# Altium PCB PCB1.PcbDoc
Units mm, origin at the board's own origin, x right, y up, seen from the top; angles counter-clockwise.
Board outline 96.67 x 96.78 mm, 2 copper layers (Top Layer, Bottom Layer); 38 components, 42 nets, 162 pads, 35 vias.
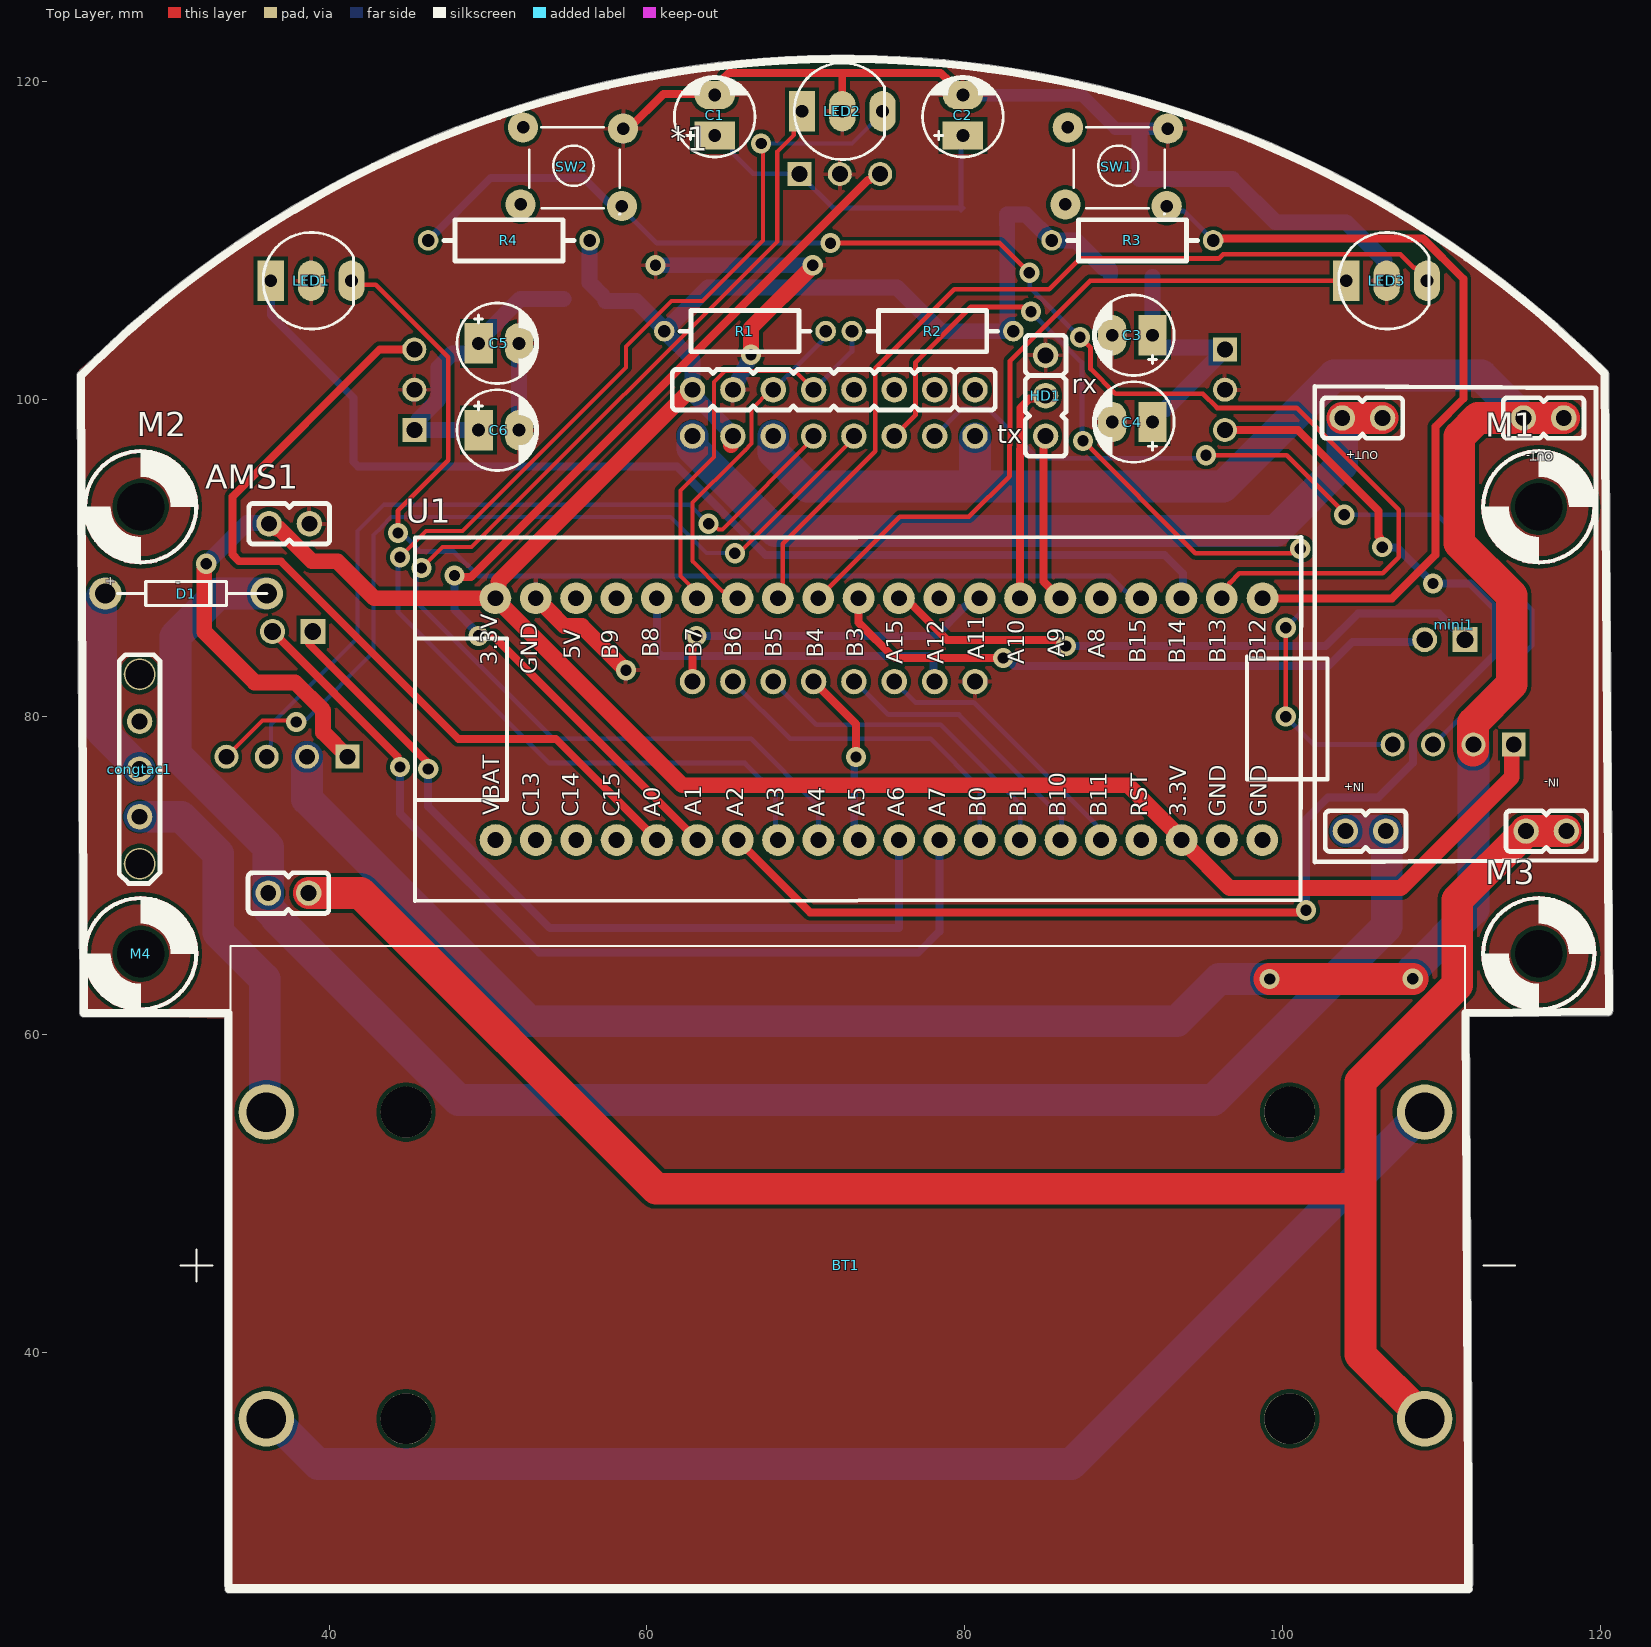
[diagram p0: Top Layer view]
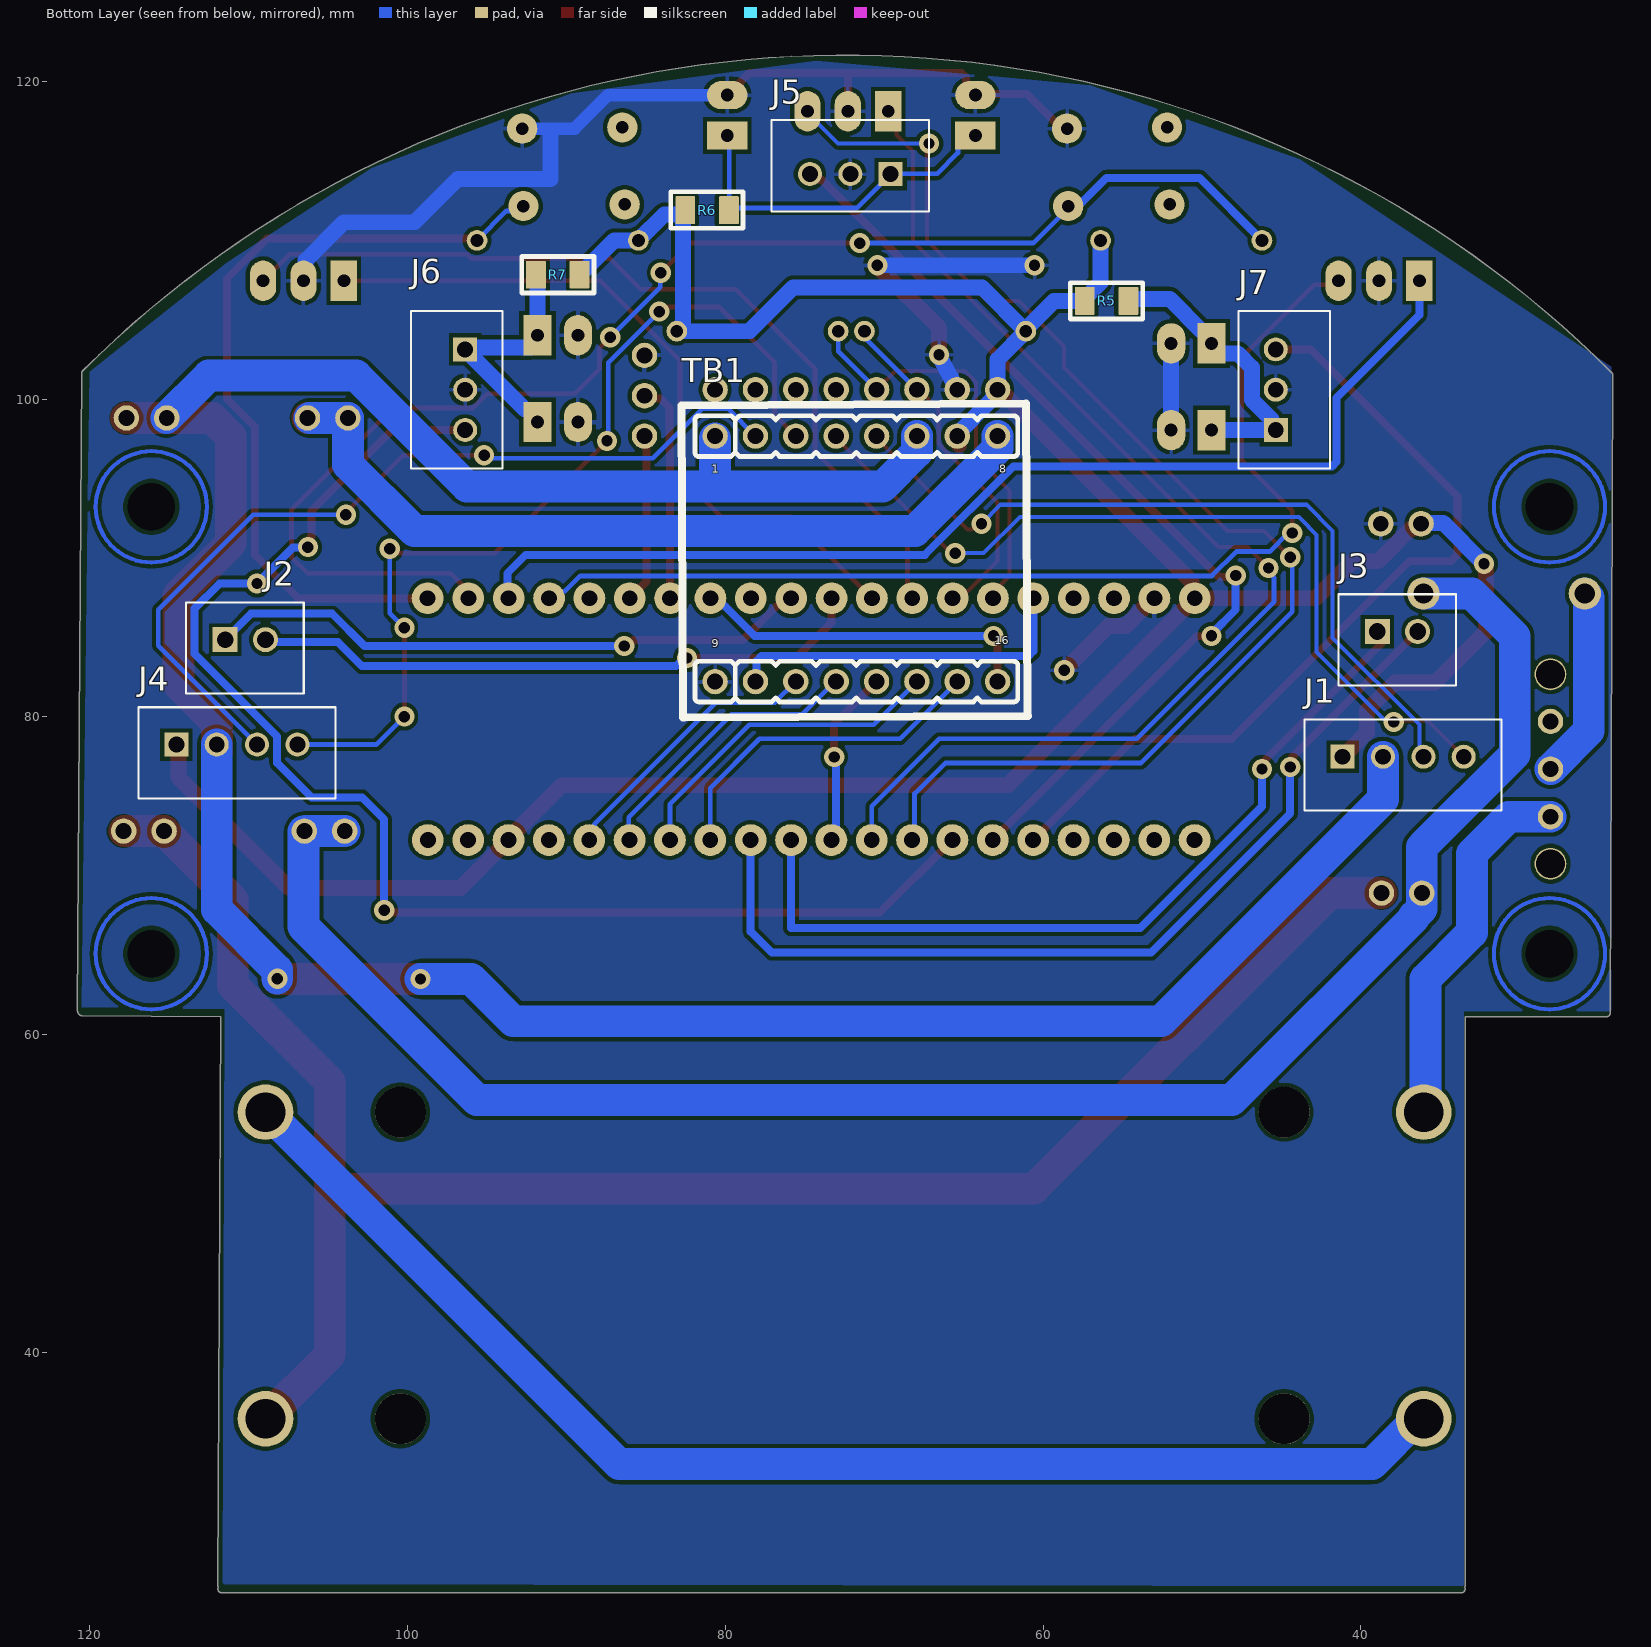
[diagram p1: Bottom Layer view, seen from below]

## Layer stack, top to bottom
Top Solder: solder mask 0.0102, Solder Resist, Dk 3.5
Top Layer: signal copper 0.0356
Dielectric 1: dielectric 0.32, FR-4, Dk 4.8
Bottom Layer: signal copper 0.0356
Bottom Solder: solder mask 0.0102, Solder Resist, Dk 3.5

## Board outline
33.417,25.361 33.417,61.116 24.555,61.116 cw(c24.555,61.366) 24.304,61.365 24.134,101.472 cw(c24.384,101.473) 24.207,101.65 cw(c72.39,53.594) 120.446,101.777 cw(c120.269,101.6) 120.519,101.602 120.799,61.576 120.799,61.574 cw(c120.549,61.574) 120.75,61.426 cw(c120.5,61.438) 120.502,61.188 111.752,61.113 111.959,25.363 111.959,25.362 cw(c111.709,25.362) 111.916,25.221 111.942,25.11 cw(c111.691,25.11) 111.691,24.859 33.691,24.859 cw(c33.691,25.11) 33.464,25.215 cw(c33.667,25.361)

## Design rules (kind name [scope] priority, off if disabled: settings)
Clearance [All] p1: gap=0.254 ignorepadtopadclearanceinfootprint=FALSE except(0: Arc-Hole Track-Hole SMDPad-Hole THPad-Hole Via-Hole Fill-Hole Poly-Hole Region-Hole Text-Hole)
PolygonConnect [All] p1: connectstyle=Relief reliefconductorwidth=0.254 reliefentries=4 polygonreliefangle="90 Angle" airgapwidth=0.254
RoutingVias [All] p1: holewidth=0.711 width=1.27 viastyle="Through Hole" minholewidth=0.711 minwidth=1.27 maxholewidth=0.711 maxwidth=1.27
SolderMaskExpansion [All] p1: expansion=0.102 istentingtop=FALSE
Width [All] p1: maxlimit=2 minlimit=0.254 preferedwidth=0.254 minimp=50.000000 maximp=50.000000 favimp=50.000000
30 further rules are at their usual default settings.

## Components (designator, comment, footprint, x,y, rotation, side; value= is the part's Value field where it differs from the comment)
*1 "MPU6050" MPU6050 71.755,100.584 r180 top locked
AMS1 "AMS1117-3.3" ASM1117-3.3 37.465,90.805 r180 top
BT1 "BK-18650-PC4" BAT_BK-18650-PC4 72.644,45.466 r0 top locked
C1 "10uF" CP1/2 64.262,116.586 r90 top value=10uF/50V
C2 "100nF" CP1/2 79.883,116.586 r90 top value=10uF/50V
C3 "10uF" CP1/2 91.821,104.013 r180 top value=10uF/50V
C4 "100nF" CP1/2 91.821,98.552 r180 top value=10uF/50V
C5 "100nF" CP1/2 49.403,103.505 r0 top value=10uF/50V
C6 "10uF" CP1/2 49.403,98.044 r0 top value=10uF/50V
congtac1 "congtac" CONGTAC 28.067,76.708 r90 top locked
D1 "100v" "Diode 1N4007" 30.988,87.757 r0 top
HD1 "Header 3" Header_3 85.09,100.203 r270 top
J1 "B4B-XH-A(LF)(SN)" JST_B4B-XH-A(LF)(SN) 37.338,76.962 r0 bottom
J2 "B2B-XH-A(LF)(SN)" JST_B2B-XH-A(LF)(SN) 110.236,84.328 r0 bottom
J3 "B2B-XH-A(LF)(SN)" JST_B2B-XH-A(LF)(SN) 37.719,84.836 r0 bottom
J4 "B4B-XH-A(LF)(SN)" JST_B4B-XH-A(LF)(SN) 110.744,77.724 r0 bottom
J5 "B3B-XH-A_(LF)(SN)" "JST_B3B-XH-A (LF)(SN)" 72.136,114.681 r180 bottom
J6 "B3B-XH-A_(LF)(SN)" "JST_B3B-XH-A (LF)(SN)" 96.901,100.584 r90 bottom
J7 "B3B-XH-A_(LF)(SN)" "JST_B3B-XH-A (LF)(SN)" 44.831,100.584 r270 bottom
LED1 "LED" LED-52 36.322,107.442 r0 top value="LED 3 - 5 ly 2 Colour"
LED2 "LED" LED-52 69.75,118.11 r0 top value="LED 3 - 5 ly 2 Colour"
LED3 "LED" LED-52 104.013,107.442 r0 top value="LED 3 - 5 ly 2 Colour"
M1 "VIT - 3.2mm" "VIT - 3.2mm" 116.13,93.214 r0 top
M2 "VIT - 3.2mm" "VIT - 3.2mm" 28.13,93.214 r0 top locked
M3 "VIT - 3.2mm" "VIT - 3.2mm" 116.13,65.087 r0 top locked
M4 "VIT - 3.2mm" "VIT - 3.2mm" 28.13,65.087 r0 top locked
mini1 "mini560" MINI540 105.029,98.806 r180 top locked
R1 "Res2" "RES 1/4W CFR25" 71.247,104.267 r180 top value=4.7K
R2 "Res2" "RES 1/4W CFR25" 72.898,104.267 r0 top value=4.7K
R3 "Res2" "RES 1/4W CFR25" 95.631,109.982 r180 top value=4.7K
R4 "Res2" "RES 1/4W CFR25" 46.228,109.982 r0 top value=4.7K
R5 "0" "Res 1206 SMD" 56.007,106.172 r0 bottom
R6 "0" "Res 1206 SMD" 81.153,111.887 r0 bottom
R7 "0" "Res 1206 SMD" 90.551,107.823 r180 bottom
SW1 "SW" SW4 86.487,117.094 r0 top value="Button chip 4 pin"
SW2 "SW" SW4 52.197,117.094 r0 top value="Button chip 4 pin"
TB1 "TB6612FNG" TB6612PNG 71.755,97.663 r180 bottom locked
U1 "STM32F103C8T6" "Stm32 BluePill" 68.834,79.629 r90 top locked

## Footprints (in the part's own frame and the unit in brackets; to place one, negate y for a bottom-side part, rotate by r counter-clockwise, add the part's x,y. Pads: shape width x height; smd on the part's side, far side on the other; paste and mask are expansions set on the pad)
ASM1117-3.3 [mm] "Connector DIP, 2Pin_2.54mm"
  round 1.6 hole 1 mask+0.1: 1(1.3,21.9) 2(-1.24,21.9) 3(1.254,-1.346) 4(-1.286,-1.346)
  silkscreen extent -2.56,-2.63 2.57,23.18, body extent -5.7,-2.62 5.5,23.17, height 9.2
BAT_BK-18650-PC4 [mm]
  round 3.5 hole 2.5: 1+(-36.6,9.65) 1-(36.3,9.65) 2+(-36.6,-9.65) 2-(36.3,-9.65)
  round 3.2 hole 3.2 unplated: ""(-27.81,-9.65) ""(-27.81,9.65) ""(27.81,-9.65) ""(27.81,9.65)
  silkscreen extent -42,-20.1 42,20.1, body extent -39.1,-20.11 38.6,20.11, height 24.74
CONGTAC [mm] "Connector DIP, 5Pin_2.54mm"
  round 2 hole 1.8 mask+0.1: 1(-5.96,0) 5(5.96,0)
  round 1.6 hole 1 mask+0.1: 2(-3,0) 3(0,0) 4(3,0)
  silkscreen extent -7.2,-1.28 7.2,1.28, body extent -6.05,-2.7 6.05,2.8, height 9
CP1/2 [mil] "Tu hoa < 22uF/16>50V"
  rect 70x100 hole 32: 1(0,0)
  oval 70x100 hole 32: 2(100,0)
  silkscreen extent -53,-100 146,100, body extent -49,-99 149,99, height 287
"Diode 1N4007" [mil] "Diode 2A"
  round 80 hole 50: 1(-200,0) 2(200,0)
  silkscreen extent -170,-30 200,30
Header_3 [mm] "Connector DIP, 3Pin_2.54mm"
  round 1.6 hole 1 mask+0.1: 1(-2.54,0) 2(0,0) 3(2.54,0)
  silkscreen extent -3.81,-1.28 3.81,1.28, body extent -3.81,-1.27 3.81,1.27, height 10.1
JST_B2B-XH-A(LF)(SN) [mm]
  rect 1.575x1.575 / inner round 1.575 / far side rect 1.575x1.575 hole 1.05: 1(1.25,-0.525)
  round 1.575 hole 1.05: 2(-1.29,-0.525)
  silkscreen extent -3.7,-2.88 3.7,2.88, body extent -3.7,-2.88 3.7,2.88, height 7
"JST_B3B-XH-A (LF)(SN)" [mm]
  rect 1.508x1.508 / inner round 1.508 / far side rect 1.508x1.508 hole 1: 1(2.54,-0.525)
  round 1.508 hole 1: 2(0,-0.525) 3(-2.54,-0.525)
  silkscreen extent -4.95,-2.88 4.95,2.88, body extent -4.95,-2.88 4.95,2.88, height 7
JST_B4B-XH-A(LF)(SN) [mm]
  rect 1.508x1.508 / inner round 1.508 / far side rect 1.508x1.508 hole 1: 1(3.81,-0.525)
  round 1.508 hole 1: 2(1.27,-0.525) 3(-1.27,-0.525) 4(-3.81,-0.525)
  silkscreen extent -6.2,-2.88 6.2,2.88, body extent -6.2,-2.88 6.2,2.88, height 7
LED-52 [mil] "LED 3 PIN, 5 ly , Two colour"
  rect 65x100 hole 32: 1(0,0)
  oval 65x100 hole 32: 2(100,0) 3(200,0)
  silkscreen extent -19,-120 205,120, body extent -20,-115 214,113, height 476
MINI540 [mm] "Connector DIP, 2Pin_2.54mm"
  round 1.6 hole 1 mask+0.1: 1(-12.84,26) 2(-10.3,26) 3(-1.47,26) 4(1.07,26) 5(-12.67,0) 6(-10.13,0) 7(-1.27,0) 8(1.27,0)
  silkscreen extent -14.7,-2 3,27.95, body extent -14.8,-2.1 3.2,27.9, height 11.62
MPU6050 [mm] "Connector DIP Male, 8Pin_2.54mm"
  round 1.6 hole 1 mask+0.1: 1(-8.89,0) 2(-6.35,0) 3(-3.81,0) 4(-1.27,0) 5(1.27,0) 6(3.81,0) 7(6.35,0) 8(8.89,0)
  silkscreen extent -10.16,-1.28 10.16,1.28, body extent -10.55,-14.28 10.55,1.6, height 9.94
"RES 1/4W CFR25" [mm] "Axial Device, Thru-Hole; 2 Leads fi 0.55"
  round 1.3 hole 0.8 mask+0.1: 1(0,0) 2(10.16,0)
  silkscreen extent 0.98,-1.3 9.18,1.3, body extent -0.3,-1.16 10.47,1.16, height 2.93
"Res 1206 SMD" [mm] "Reflow Soldering"
  rrect10% 1.25x1.75 smd mask+0.1: 1(-1.375,0) 2(1.375,0)
  silkscreen extent -2.27,-1.15 2.28,1.14, body extent -1.6,-0.8 1.6,0.8, height 0.65
"Stm32 BluePill" [mm]
  round 2 hole 1: 1(7.828,-29.909) 2(7.828,-27.343) 3(7.828,-24.803) 4(7.828,-22.263) 5(7.828,-19.723) 6(7.828,-17.183) 7(7.828,-14.643) 8(7.828,-12.103) 9(7.828,-9.563) 10(7.828,-7.023) 11(7.828,-4.483) 12(7.828,-1.943) 13(7.828,0.597) 14(7.828,3.137) 15(7.828,5.677) 16(7.828,8.217) 17(7.828,10.757) 18(7.828,13.297) 19(7.828,15.837) 20(7.828,18.377) 21(-7.386,18.366) 22(-7.386,15.826) 23(-7.386,13.286) 24(-7.386,10.746) 25(-7.386,8.206) 26(-7.386,5.666) 27(-7.386,3.126) 28(-7.386,0.586) 29(-7.386,-1.954) 30(-7.386,-4.494) 31(-7.386,-7.034) 32(-7.386,-9.574) 33(-7.386,-12.114) 34(-7.386,-14.654) 35(-7.386,-17.194) 36(-7.386,-19.734) 37(-7.386,-22.274) 38(-7.386,-24.814) 39(-7.386,-27.354) 40(-7.386,-29.894)
  silkscreen extent -11.22,-34 11.69,23.43, body extent -11.18,-33.27 11.68,24.29, height 16.77
SW4 [mil] "SW button 4pin, 250 x250 mil"
  round 75 hole 31: 1(0,0) 2(245,-195) 3(248,-3) 4(-6,-191)
  silkscreen extent 15,-215 240,0, body extent -36,-220 276,24, height 276
TB6612PNG [mm] "Connector DIP Male, 8Pin_2.54mm"
  round 1.6 hole 1 mask+0.1: 1(-8.89,0) 2(-6.35,0) 3(-3.81,0) 4(-1.27,0) 5(1.27,0) 6(3.81,0) 7(6.35,0) 8(8.89,0) 9(-8.89,-15.45) 10(-6.35,-15.45) 11(-3.81,-15.45) 12(-1.27,-15.45) 13(1.27,-15.45) 14(3.81,-15.45) 15(6.35,-15.45) 16(8.89,-15.45)
  silkscreen extent -11,-17.72 10.8,2.04, body extent -10.58,-18.25 10.4,2.65, height 9.54
"VIT - 3.2mm" [mm]
  round 0 hole 3 unplated: 1(0,0)
  Top Layer circle w0.2: c0,0 r3.5
  Top Layer circle w0.254: c0,0 r3.5
  Bottom Layer circle w0.2: c0,0 r3.5
  Bottom Layer circle w0.254: c0,0 r3.5
  silkscreen extent -3.5,-3.51 3.5,3.51

## Part data
BT1: "Battery Holder (Open) 18650 2 Cell PC Pin", Package=None, Availability=Unavailable, MP=BK-18650-PC4, Price=None
C1 C2 C3 C4 C5 C6: library part CP1, "Cap P  0,1uF < 22uF , 16 - 50V", Description 1="10 => 220uF/6,3V/10V - 10uF => 100uF/16V", Description 2="0,1uF => 33uF/50V - 10uF => 22uF/63V", Description 3="0,47uF => 10uF/100V"
D1: library part "Diode 1N4148", "Cắm", Chung_Loai=Cắm, Don_Vi=Con, Ma_Hang=MH001065, Ten_Linh_Kien="Diode 1N4148 DO35 450mA 100V ( 1N4148 DIP)"
HD1: library part Header3
J1 J4: "Connector Header Through Hole 4 position 0.098 (2.50mm)", Package=None, Check_prices=https://www.snapeda.com/parts/B4B-XH-A(LF)(SN)/JST+Sales+America+Inc./view-part/?ref=eda, MF="JST Sales", MP=B4B-XH-A(LF)(SN), SnapEDA_Link=https://www.snapeda.com/parts/B4B-XH-A(LF)(SN)/JST+Sales+America+Inc./view-part/?ref=snap
J2 J3: "Connector Header Through Hole 2 position 0.098 (2.50mm)", Package=None, Check_prices=https://www.snapeda.com/parts/B2B-XH-A(LF)(SN)/JST+Sales+America+Inc./view-part/?ref=eda, MF="JST Sales America Inc.", MP=B2B-XH-A(LF)(SN), SnapEDA_Link=https://www.snapeda.com/parts/B2B-XH-A(LF)(SN)/JST+Sales+America+Inc./view-part/?ref=snap
J5 J6 J7: "Connector Header Through Hole 3 position 0.098 (2.50mm)", Package=None, Check_prices=https://www.snapeda.com/parts/B3B-XH-A%20(LF)(SN)/JST+Sales+America+Inc./view-part/?ref=eda, MF="JST Sales America Inc.", MP="B3B-XH-A (LF)(SN)", SnapEDA_Link=https://www.snapeda.com/parts/B3B-XH-A%20(LF)(SN)/JST+Sales+America+Inc./view-part/?ref=snap
LED1 LED2 LED3: library part LED2, "LED 2 colour Green and Red"
R1 R2 R3 R4: "Resistor", LatestRevisionDate=17-Jul-2002, LatestRevisionNote="Re-released for DXP Platform.", PackageDescription="Axial Device, Thru-Hole; 2 Leads; 0.4 in Pin Spacing", PackageReference=AXIAL-0.4, Published=8-Jun-2000, Publisher="Altium Limited"
R5 R6 R7: library part RES-1206, "RES SMD 5.1 OHM 1% 1/4W 1206", Manufacturer=Yageo, Manufacturer Part Number=RC1206FR-075R1L, Operating Temperature="-55°C ~ 155°C", Package / Case="1206 (3216 Metric)", Power (Watts)="0.25W, 1/4W", Resistance (Ohms)=5.1, Supplier Device Package=1206, Supplier Part Number 1=311-5.10FRCT-ND, Temperature Coefficient=±200ppm/°C, Tolerance=±1%, Category=Resistors, ComponentLink1Description=http://www.yageo.com/documents/recent/PYu-RC_Group_51_RoHS_L_7.pdf, ComponentLink1URL=http://www.yageo.com/documents/recent/PYu-RC_Group_51_RoHS_L_7.pdf, Composition="Thick Film", Failure Rate=-, Features="Moisture Resistant", Height - Seated (Max)="0.026\" (0.65mm)", Packaging="Cut Tape (CT)", Part Status=Active, Pricing 1="1=0.1, 10=0.051, 100=0.0207, 1000=0.0093, 2500=0.00807 (USD)", RoHS="RoHS Compliant", Size / Dimension="0.122\" L x 0.063\" W (3.10mm x 1.60mm)", Stock 1=96701, Supplier 1=Digi-Key
SW1 SW2: library part SW4, "Switch button 4 pin"
U1: library part BluePill, "Designed By @Alixahedi"

## Via types
v1: diameter 1.27, hole 0.711, Top Layer to Bottom Layer, 35 vias

## Nets (pads, with @x,y where several pads share a name; then routed paths per layer and width w, separated by ;. In a path a pad name is that pad's centre, name@x,y a point inside that pad or via, vN(x,y) a via of type N, cw(c..) or ccw(c..) an arc to the next point about the centre after c; other vN are vias at no path point)
+5: mini1.7 mini1.8 TB1.8 | length 53.4
  Top Layer w2: mini1.8 mini1.7
  Bottom Layer w2: TB1.8 62.865,96.901 68.072,91.694 99.568,91.694 103.759,95.885 mini1.8 mini1.7@106.172,98.806
A01: J1.3 TB1.5 | length 49
  Top Layer w0.254: v1(63.881,92.147) 64.156,92.147 64.504,91.799 64.748,91.799 TB1.5@70.485,97.536
  Bottom Layer w0.254: J1.3 36.308,77.727 36.308,78.249 36.322,78.263 36.322,79.502 41.783,84.963 41.783,91.694 43.434,93.345 62.683,93.345 v1(63.881,92.147)
A02: J1.4 TB1.4 | length 54.3
  Top Layer w0.254: J1.4 35.797,79.756 37.846,79.756 v1(37.929,79.673) ; v1(65.532,90.297) 65.786,90.297 TB1.4@73.152,97.663
  Bottom Layer w0.254: v1(37.929,79.673) 38.124,79.867 38.592,79.867 42.799,84.074 42.799,91.44 43.307,91.948 43.307,91.988 43.902,92.583 61.468,92.583 63.754,90.297 v1(65.532,90.297)
ADC_CB1: J7.3 U1.25 | length 53.2
  Top Layer w0.5: J7.3 43.18,103.124 33.909,93.853 33.909,90.209 34.329,89.789 36.951,89.789 48.127,78.613 54.258,78.613 U1.25
  Bottom Layer w0.5: J7.3 J7.3@45.466,103.124
ADC_CB2: J5.3 U1.26 | length 60.7
  Top Layer w0.5: v1(47.879,88.892) 47.967,88.804 48.926,88.804 73.914,113.792 74.039,113.792 74.403,114.156 J5.3 ; v1(49.403,85.09) 49.424,85.069 50.341,85.069 U1.26
  Bottom Layer w0.5: v1(47.879,88.892) 47.879,86.741 v1@49.403,85.217
ADC_CB3: J6.3 U1.27 | length 86.4
  Top Layer w0.5: U1.27 70.26,67.691 101.346,67.691 v1(101.473,67.818) ; J6.3 100.965,98.044 106.045,92.964 106.045,92.372 106.048,92.369 106.048,91.356 106.129,91.275 106.129,90.825 v1(106.276,90.678)
  Bottom Layer w0.5: v1(101.473,67.818) 101.473,73.533 102.87,74.93 106.045,74.93 108.216,77.101 108.216,78.77 113.411,83.965 113.411,86.811 111.83,88.392 v1(109.474,88.392) ; v1(106.276,90.678) 106.299,90.655 107.211,90.655 v1@109.451,88.415
AI1: TB1.14 U1.34 | length 21.1
  Bottom Layer w0.3: TB1.14 70.656,79.502 78.486,79.502 83.488,74.5 U1.34@83.488,72.448
  Bottom Layer w0.5: U1.34 U1.34@83.693,72.448
AI2: TB1.15 U1.33 | length 21.6
  Bottom Layer w0.3: TB1.15 69.005,78.613 77.851,78.613 80.948,75.516 U1.33
B01: J4.3 TB1.2 | length 54.7
  Top Layer w0.3: v1(95.184,96.459) 100.264,96.459 v1@103.886,92.837
  Bottom Layer w0.3: TB1.2 79.822,99.38 81.468,99.38 84.582,96.266 94.996,96.266 95.184,96.454 v1(95.184,96.459) ; v1(103.886,92.71) 109.728,92.71 115.697,86.741 115.697,84.472 J4.3
B02: J4.4 TB1.3 | length 57.4
  Top Layer w0.3: TB1.3 76.901,98.999 76.901,102.301 80.391,105.791 v1@83.612,105.791 ; v1(87.446,97.364) 94.513,90.297 v1@100.58,90.297 ; v1(100.203,80.01) v1(100.203,85.598)
  Bottom Layer w0.3: v1(84.165,105.501) 87.376,102.29 87.376,97.434 v1(87.446,97.364) ; v1@100.203,80.137 v1(100.203,80.01) 101.964,78.249 J4.4 ; v1(100.203,85.598) 101.119,86.514 v1(101.119,90.574)
BI1: TB1.12 U1.35 | length 17.9
  Bottom Layer w0.3: TB1.12@73.025,82.296 75.184,80.137 79.629,80.137 86.085,73.681 U1.35@86.085,72.369
BI2: TB1.11 U1.36 | length 17.5
  Bottom Layer w0.3: TB1.11 76.879,80.899 80.57,80.899 88.243,73.226 88.243,72.568 U1.36
GND: *1.7 AMS1.4 C1.2 C2.2 C3.2 C4.2 C5.2 C6.2 HD1.1 J5.2 J6.2 J7.2 LED1.2 LED2.2 LED3.2 SW1.3 SW2.3 TB1.9 U1.19 | length 95.3
  Top Layer w0.5: SW2.3 58.852,117.018 61.036,119.202 64.186,119.202 C1.2 ; C1.2@64.338,119.202 64.343,119.202 64.857,119.716 64.857,120.23 65.15,120.523 72.29,120.523 ; LED2.2 72.29,120.523 ; C2.2 79.848,119.126 79.034,119.94 79.034,119.975 78.486,120.523 72.29,120.523
  Top Layer w1: U1.19 53.669,86.852 53.688,86.835 53.707,86.817 53.783,86.74 53.783,86.731 54.811,85.703 55.902,85.703 v1(58.674,82.931) ; SW2.3@58.448,116.868 SW2.3@58.547,116.967 ; v1(66.548,102.781) 66.548,104.476 70.433,108.36 v1(70.433,108.417)
  Bottom Layer w0.5: LED1.2@38.862,107.309 LED1.2 ; LED2.2@72.136,117.956 LED2.2 ; LED2.2@72.39,118.11 LED2.2@72.517,117.983
  Bottom Layer w0.8: C2.2 87.376,119.126 89.484,117.018 SW1.3
  Bottom Layer w1: C6.2 C5.2 51.943,103.632 C5.2@52.07,103.759 ; v1(60.538,108.417) v1(70.433,108.417) ; *1.7 66.548,102.743 v1(66.548,102.781) ; 91.003,113.848 96.845,113.848 99.568,111.125 104.013,111.125 106.428,108.71 106.428,107.567 LED3.2 ; 91.003,113.919 91.003,116.896
LED1: LED2.1 U1.29 | length 74.8
  Top Layer w0.254: v1(45.813,89.361) 47.13,90.678 48.956,90.678 68.199,109.921 68.199,115.57 69.237,116.608 69.237,117.624 LED2.1@69.723,118.11
  Bottom Layer w0.3: v1(45.813,89.361) 45.813,89.099 45.466,88.752 45.466,87.249 54.102,78.613 66.548,78.613 70.788,74.373 U1.29
LED2: LED2.3 U1.28 | length 81.6
  Top Layer w0.254: v1(44.45,90.043) 46.101,91.694 48.387,91.694 58.674,101.981 58.674,103.312 61.534,106.172 63.5,106.172 67.31,109.982 67.31,115.951 v1(67.183,116.078)
  Bottom Layer w0.254: v1(67.183,116.078) 72.898,116.078 LED2.3@74.93,118.11
  Bottom Layer w0.3: v1(44.45,90.043) 44.323,89.916 44.323,86.614 53.848,77.089 66.167,77.089 68.088,75.168 68.088,72.403 U1.28
LED3: LED3.1 U1.12 | length 45.8
  Top Layer w0.3: U1.12 75.903,92.583 80.264,92.583 82.823,95.142 82.823,97.083 82.85,97.11 82.85,102.408 87.884,107.442 LED3.1
LED4: LED3.3 U1.13 | length 55.5
  Top Layer w0.3: U1.13 68.539,87.76 68.539,90.891 74.361,96.713 74.361,101.92 79.352,106.911 85.321,106.911 87.249,108.839 95.979,108.839 96.256,109.116 107.419,109.116 108.269,108.266 108.348,108.266 109.093,107.521 LED3.3
LED5: LED1.1 U1.3 | length 70.4
  Bottom Layer w0.5: LED1.1 36.322,105.283 41.529,100.076 41.529,96.051 41.822,95.758 61.881,95.758 67.449,90.19 92.563,90.19 93.726,89.027 93.726,87.503 U1.3@93.599,87.376
LED6: LED1.3 U1.4 | length 68.9
  Top Layer w0.3: LED1.3 41.656,107.188 42.93,107.188 47.498,102.62 47.498,96.139 44.323,92.964 v1(44.323,91.567)
  Bottom Layer w0.3: v1(44.323,91.567) 44.577,91.567 45.744,90.4 47.84,90.4 49.379,88.861 89.139,88.861 90.095,87.905 90.189,87.905 90.637,87.457 U1.4
NetAMS1_1: AMS1.1 D1.2 mini1.3 mini1.4 | length 114.5
  Bottom Layer w2: 36.068,71.895 30.321,77.642 30.321,85.058 33.02,87.757 D1.2 ; 36.165,71.785 36.165,67.933 36.651,67.447 ; 36.651,67.362 48.133,55.88 95.631,55.88 106.553,66.802 mini1.3@106.553,72.771 ; mini1.4 mini1.3@106.391,72.806
NetAMS1_2: AMS1.2 BT1.2- mini1.1 mini1.2 | length 119.6
  Top Layer w2: AMS1.2 41.966,68.905 60.579,50.292 104.394,50.292 104.902,50.8 ; BT1.2- 104.902,39.858 104.902,50.8 ; mini1.1@117.821,72.806 mini1.2 110.998,68.475 110.998,63.119 104.902,57.023 104.902,50.8
NetBT1_1+: BT1.1+ congtac1.2 | length 23.4
  Bottom Layer w2: congtac1.2 30.686,73.708 33.02,71.374 ; 33.011,71.238 33.011,66.421 35.941,63.491 BT1.1+@35.941,54.991
NetBT1_1-: BT1.1- BT1.2+ | length 83
  Bottom Layer w2: BT1.2+ 36.45,35.816 39.304,32.962 86.683,32.962 BT1.1-@108.712,54.991
NetC1_1: C1.1 C2.1 J5.1 R6.1 | length 22.5
  Bottom Layer w0.3: C1.1 64.621,116.586 65.36,115.847 65.36,115.488 66.675,114.173 J5.1@69.596,114.173 ; J5.1 71.738,112.014 R6.1@79.756,112.014 ; R6.1@79.756,111.887 R6.1@79.756,112.014 ; R6.1@79.883,112.014 R6.1@79.756,112.014 ; C2.1 79.756,116.459 R6.1@79.756,112.014
NetC3_1: C3.1 C4.1 J6.1 R7.1 | length 14.9
  Bottom Layer w1: C4.1 91.821,98.933 92.21,99.322 92.591,99.322 J6.1@96.122,102.853 ; R7.1@91.821,107.696 C3.1 91.821,103.632 92.21,103.243 J6.1@96.147,103.243
NetC5_1: C5.1 C6.1 J7.1 R5.1 | length 17.8
  Bottom Layer w1: C6.1@49.403,98.171 49.276,98.044 J7.1 45.61,98.298 45.61,98.705 46.864,99.959 46.864,101.982 47.755,102.873 49.014,102.873 49.403,103.262 C5.1 ; C5.1@49.792,104.275 50.008,104.275 52.032,106.299 R5.1@54.737,106.299
Netcongtac1_3: congtac1.3 D1.1 | length 12.2
  Bottom Layer w2: D1.1 25.908,87.748 25.654,87.494 25.654,79.121 congtac1.3
PGND: J1.2 J4.2 mini1.5 mini1.6 TB1.1 TB1.6 | length 180.9
  Top Layer w2: v1(99.187,63.5) 108.191,63.5 v1(108.198,63.506) ; J4.2@111.994,77.868 111.994,79.609 114.427,82.042 114.427,87.63 111.125,90.932 111.125,97.634 112.297,98.806 mini1.6 mini1.5 mini1.5@117.729,98.806
  Bottom Layer w2: J1.2 38.608,74.803 52.578,60.833 93.345,60.833 96.012,63.5 v1(99.187,63.5) ; TB1.6 67.945,96.647 70.104,94.488 80.645,94.488 ; TB1.1@80.645,97.536 80.645,94.488 ; v1(108.198,63.506) 108.198,64.057 112.014,67.874 J4.2 ; mini1.6@115.189,98.806 112.522,101.473 103.238,101.473 96.253,94.488 80.645,94.488
SCL: *1.6 R1.1 U1.14 | length 21.8
  Top Layer w0.254: U1.14 65.225,87.457 64.752,87.93 64.724,87.93 62.865,89.789 62.865,93.472 65.624,96.231 65.643,96.231 66.171,96.759 cw(c66.37,96.601) 66.199,96.788 ccw(c65.405,97.663) 66.357,96.964 66.586,97.193 66.586,99.352 67.818,100.584 *1.6 *1.6@68.072,100.584
  Bottom Layer w0.3: *1.6 71.056,103.695 71.056,103.949 R1.1@71.247,104.14
SDA: *1.5 R2.1 U1.15 | length 26.7
  Top Layer w0.254: U1.15 63.157,87.806 62.103,88.86 62.103,94.234 64.224,96.355 64.224,101.073 64.916,101.765 69.304,101.765 *1.5
  Bottom Layer w0.3: *1.5 72.898,102.997 R2.1
STBY: TB1.13 U1.30 | length 11.4
  Top Layer w0.5: TB1.13 73.152,79.546 v1(73.152,77.47) v1@73.152,77.343
  Bottom Layer w0.5: v1(73.152,77.47) 73.043,77.361 73.043,72.528 U1.30
SW1: R3.1 SW1.2 U1.1 | length 50.9
  Top Layer w0.5: R3.1@95.504,110.109 108.839,110.109 111.379,107.569 111.379,100.015 109.621,98.257 109.621,90.19 106.888,87.457 U1.1
  Bottom Layer w0.3: SW1.2 93.017,111.834 93.779,111.834 R3.1
SW2: R4.1 SW2.2 U1.2 | length 88.2
  Top Layer w0.3: v1(71.544,109.812) 82.204,109.812 v1(84.066,107.95) ; v1(87.249,103.886) 87.919,103.216 87.919,101.889 89.479,100.33 94.992,100.33 95.881,99.441 95.896,99.426 96.856,99.426 96.871,99.441 100.89,99.441 107.315,93.016 107.315,90.043 106.299,89.027 97.282,89.027 96.67,88.415 96.67,88.41 96.177,87.917 U1.2
  Bottom Layer w0.3: SW2.2@58.293,112.141 60.622,109.812 v1(71.544,109.812) ; v1(84.066,107.95) 84.093,107.923 84.093,107.042 v1(87.249,103.886)
  Bottom Layer w0.5: R4.1 50.165,113.919 56.007,113.919 57.516,112.41 58.151,112.41 SW2.2@58.356,112.204
TIM1_CH4: TB1.16 U1.8 | length 21.4
  Top Layer w0.5: TB1.16 62.865,84.628 v1@62.992,84.755
  Bottom Layer w0.5: TB1.16@62.865,82.296 TB1.16@62.907,82.254 ; v1(63.119,85.09) 78.157,85.09 79.993,86.926 80,86.926 80.45,87.376 U1.8@80.899,87.376
TIM2_CH1: J2.1 U1.10 | length 38.2
  Top Layer w0.5: U1.10 76.263,87.457 76.794,86.926 76.801,86.926 78.895,84.832 85.775,84.832 86.152,84.455 v1(86.36,84.455)
  Bottom Layer w0.5: v1(86.36,84.455) 102.713,84.455 104.745,86.487 109.855,86.487 110.948,85.394 110.948,85.391 111.376,84.963 J2.1@111.379,84.963
TIM2_CH2: J2.2 U1.11 | length 38.9
  Top Layer w0.5: U1.11 73.317,85.941 75.565,83.693 v1(82.423,83.693)
  Bottom Layer w0.5: v1(82.423,83.693) 82.593,83.693 83.101,83.185 102.87,83.185 104.394,84.709 J2.2@108.966,84.709
TIM3_CH1: J3.1 U1.31 | length 52.1
  Top Layer w0.5: J3.1@38.715,84.599 46.081,77.233 46.081,76.855 v1(46.228,76.708)
  Bottom Layer w0.5: v1(46.228,76.708) 46.228,74.356 53.887,66.697 75.868,66.697 ; 75.868,66.724 U1.31 U1.31@76.155,71.956
TIM3_CH2: J3.2 U1.32 | length 58.3
  Top Layer w0.5: J3.2 44.303,77.487 v1@44.303,77.109
  Bottom Layer w0.5: v1(44.45,76.835) 44.45,73.914 53.213,65.151 77.067,65.151 78.397,66.481 ; 78.408,66.47 U1.32
TIM4_CH3: TB1.10 U1.16 | length 22.6
  Bottom Layer w0.5: U1.16 60.617,84.124 60.921,83.82 77.738,83.82 78.031,83.527 78.031,82.287 TB1.10 TB1.10@78.316,82.423
UART1_RX: HD1.2 U1.7 | length 14
  Top Layer w0.5: U1.7 83.477,96.812 83.504,96.839 83.504,99.441 84.082,100.019 85.033,100.019 HD1.2@85.217,100.203
UART1_TX: HD1.3 U1.6 | length 10.5
  Top Layer w0.5: HD1.3@84.963,97.536 84.963,88.511 U1.6
VCC: *1.8 AMS1.3 J1.1 J4.1 R1.2 R2.2 R3.2 R4.2 R5.2 R6.2 R7.2 TB1.7 U1.20 U1.38 | length 190.2
  Top Layer w1: v1(32.258,89.631) 32.206,89.58 32.206,89.389 32.131,89.314 32.131,85.344 35.306,82.169 37.846,82.169 39.616,80.399 39.616,79.019 J1.1 ; AMS1.3 36.373,92.151 36.673,91.851 36.853,91.851 38.915,89.789 40.513,89.789 42.845,87.457 U1.20 ; *1.8@62.865,100.711 50.648,88.494 50.648,87.649 U1.20 ; TB1.7@65.278,97.112 65.29,97.124 65.29,97.524 TB1.7@65.278,97.536 ; U1.38@93.804,72.087 96.676,69.215 107.442,69.215 114.427,76.2 J4.1@114.427,77.851 ; U1.38@93.853,72.136 90.297,75.692 62.222,75.692 U1.20
  Bottom Layer w1: v1(32.258,89.631) 34.829,92.202 AMS1.3@36.322,92.202 ; R4.2 56.388,107.315 R5.2@57.156,106.547 ; R5.2 59.309,106.172 R1.2@61.03,104.451 ; TB1.7@65.532,97.663 63.165,100.03 63.165,100.122 62.865,100.422 *1.8 62.865,102.489 R1.2 63.848,107.028 75.725,107.028 78.486,104.267 R2.2 83.058,104.348 82.677,104.729 82.677,110.982 82.653,111.006 R6.2@82.653,111.614 ; R6.2@82.677,111.614 83.839,111.614 R3.2 86.995,109.982 88.779,108.198 89.051,108.198 89.154,108.095 R7.2@89.154,107.823
pads on no net: *1.1 *1.2 *1.3 *1.4 BT1. congtac1.1 congtac1.4 congtac1.5 M1.1 M2.1 M3.1 M4.1 SW1.1 SW1.4 SW2.1 SW2.4 U1.5 U1.9 U1.17 U1.18 U1.21 U1.22 U1.23 U1.24 U1.37 U1.39 U1.40

## Polygon pours and split planes (outlines as drawn)
GND on Bottom Layer "GND_L02_P000" (solid, pour order 0): 33.528,25.273 33.528,61.468 24.384,61.468 24.257,61.341 24.257,102.023 43.854,115.088 57.023,119.761 74.295,121.285 89.662,119.253 102.235,114.554 111.379,108.585 120.015,101.727 120.523,61.722 111.506,61.595 111.633,25.4
GND on Top Layer "GND_L01_P001" (solid, pour order 1): 24.38,61.624 24.257,101.854 31.496,107.696 39.243,112.649 45.72,116.078 54.61,118.999 66.167,121.285 79.883,121.031 88.011,119.507 95.758,117.348 101.473,115.062 106.426,112.268 110.998,109.347 116.205,105.283 120.269,101.727 120.396,101.219 120.523,61.468 111.76,61.341 111.887,25.146 33.528,25.019 33.528,61.004 24.638,61.214

## Silkscreen, mask and mechanical layers (free items; w line width, h text height)
Top Overlay:
  lines w0.5: 33.639,61.366 24.555,61.366 24.384,101.473 cw(c72.39,53.594) 120.269,101.6 120.548,61.574 ; 33.667,25.361 33.667,61.361 ; 33.691,25.11 111.691,25.11 ; 111.709,25.362 111.5,61.361 120.5,61.438
  text "rx" at 86.741,99.949 h2
  text "tx" at 82.042,96.794 h2
  text "+" at 25.908,88.046 h1
  text "-" at 30.353,87.967 h1

## Text inside footprints (layer, text, board x,y; h text height)
*1: Mechanical 2 "1" at 80.855,100.984 h1.2 r180; Mechanical 2 "8" at 63.155,100.984 h1.2 r180
AMS1: Mechanical 1 "4" at 39.005,92.405 h1.2 r180; Mechanical 1 "3" at 36.465,92.405 h1.2 r180; Mechanical 1 "HD?" at 37.431,92.101 h0.8 r180; Mechanical 1 "HD?" at 37.385,68.855 h0.8 r180; Mechanical 1 "1" at 36.419,69.159 h1.2 r180; Mechanical 1 "2" at 38.959,69.159 h1.2 r180
congtac1: Mechanical 2 "5" at 28.367,82.408 h1.2 r90; Mechanical 2 "1" at 28.067,70.708 h1.2 r90
HD1: Mechanical 2 "1" at 84.836,102.997 h1.2 r270; Mechanical 2 "3" at 84.836,97.917 h1.2 r270
mini1: Top Overlay "IN-" at 117.429,76.106 h0.5 r180; Top Overlay "IN+" at 105.129,75.806 h0.5 r180; Top Overlay "OUT-" at 117.029,96.606 h0.5 r180; Top Overlay "OUT+" at 106.029,96.706 h0.5 r180; Mechanical 1 "1" at 118.123,73.06 h1.2 r180; Mechanical 1 "2" at 115.583,73.06 h1.2 r180; Mechanical 1 "HD?" at 116.549,72.756 h0.8 r180; Mechanical 1 "3" at 106.753,73.06 h1.2 r180; Mechanical 1 "2" at 104.213,73.06 h1.2 r180; Mechanical 1 "HD?" at 105.179,72.756 h0.8 r180; Mechanical 1 "1" at 117.953,99.06 h1.2 r180; Mechanical 1 "2" at 115.413,99.06 h1.2 r180; Mechanical 1 "HD?" at 116.379,98.756 h0.8 r180; Mechanical 1 "1" at 106.553,99.06 h1.2 r180; Mechanical 1 "2" at 104.013,99.06 h1.2 r180; Mechanical 1 "HD?" at 104.979,98.756 h0.8 r180
R1: Mechanical 1 "R?" at 71.167,104.267 h0.5 r180
R2: Mechanical 1 "R?" at 72.978,104.267 h0.5
R3: Mechanical 1 "R?" at 95.551,109.982 h0.5 r180
R4: Mechanical 1 "R?" at 46.308,109.982 h0.5
TB1: Mechanical 2 "8" at 63.155,81.813 h1.2; Mechanical 2 "1" at 80.855,81.813 h1.2; Mechanical 2 "8" at 63.155,97.263 h1.2; Mechanical 2 "1" at 80.855,97.263 h1.2; Bottom Overlay "1" at 80.855,95.363 h0.5; Bottom Overlay "8" at 62.755,95.363 h0.5; Bottom Overlay "9" at 80.855,84.363 h0.5; Bottom Overlay "16" at 63.055,84.563 h0.5
U1: Top Overlay "5V" at 56.14,83.622 h1.78 r90; Top Overlay "B9" at 58.553,83.622 h1.78 r90; Top Overlay "B8" at 61.093,83.749 h1.78 r90; Top Overlay "3.3V" at 50.933,83.241 h1.78 r90; Top Overlay "GND" at 53.447,82.677 h1.78 r90; Top Overlay "A5" at 74.047,73.716 h1.78 r90; Top Overlay "A2" at 66.396,73.716 h1.78 r90; Top Overlay "A3" at 68.941,73.716 h1.78 r90; Top Overlay "A4" at 71.526,73.716 h1.78 r90; Top Overlay "RST" at 91.827,73.716 h1.78 r90; Top Overlay "B10" at 86.696,73.716 h1.78 r90; Top Overlay "B11" at 89.281,73.716 h1.78 r90; Top Overlay "A6" at 76.536,73.716 h1.78 r90; Top Overlay "A7" at 79.121,73.716 h1.78 r90; Top Overlay "B0" at 81.667,73.716 h1.78 r90; Top Overlay "B1" at 84.226,73.716 h1.78 r90; Top Overlay "3.3V" at 94.29,73.716 h1.78 r90; Top Overlay "B15" at 91.725,83.378 h1.78 r90; Top Overlay "A8" at 89.16,83.685 h1.78 r90; Top Overlay "A11" at 81.585,83.602 h1.78 r90; Top Overlay "B3" at 73.945,83.749 h1.78 r90; Top Overlay "A9" at 86.594,83.716 h1.78 r90; Top Overlay "A15" at 76.434,83.315 h1.78 r90; Top Overlay "A12" at 79.019,83.315 h1.78 r90; Top Overlay "A10" at 84.105,83.315 h1.78 r90; Top Overlay "VBAT" at 51.054,73.789 h1.78 r90; Top Overlay "B5" at 68.84,83.749 h1.78 r90; Top Overlay "B14" at 94.209,83.348 h1.78 r90; Top Overlay "B7" at 63.805,83.749 h1.78 r90; Top Overlay "B4" at 71.425,83.716 h1.78 r90; Top Overlay "B6" at 66.274,83.779 h1.78 r90; Top Overlay "C15" at 58.629,73.716 h1.78 r90; Top Overlay "C13" at 53.574,73.716 h1.78 r90; Top Overlay "C14" at 56.063,73.716 h1.78 r90; Top Overlay "A0" at 61.194,73.716 h1.78 r90; Top Overlay "A1" at 63.754,73.787 h1.78 r90; Top Overlay "GND" at 96.78,73.716 h1.78 r90; Top Overlay "B13" at 96.78,83.368 h1.78 r90; Top Overlay "GND" at 99.345,73.716 h1.78 r90; Top Overlay "B12" at 99.289,83.378 h1.78 r90